# Allegro board 8880F5-0827_txbegin.brd (continued)
## Routing (per net, layer and track width the routed paths; a pad name or vN(x,y) marks a point on that pad's centre or on a via; arc(x,y) is an arc through that point) (continued)
; D321.A13 263.45,83.82 ; D122.A1 233.68,74.47 ; D122.A1 232.87,73.66 ; D122.A1 234.49,73.66 ; D122.A1 233.68,72.85 ; D318.B4 168.35,71.12 ; D318.B4 166.93,71.12 ; D318.B4 167.64,71.83 ; D318.B4 167.64,70.41 ; 25.4,39.83 D128.B6 ; D128.B6 24.59,40.64 ; D128.B6 26.21,40.64 ; D128.B6 25.4,41.45 ; D119.B13 191.31,58.42 ; D119.B13 189.69,58.42 ; D119.B13 190.5,57.61 ; D119.B13 190.5,59.23 ; D125.B1 12.7,99.87 ; D125.B1 12.7,98.25 ; D125.B1 11.89,99.06 ; D125.B1 13.51,99.06 ; 90.63,73.66 D130.A3 ; D130.A3 92.25,73.66 ; D130.A3 91.44,72.85 ; D130.A3 91.44,74.47 ; U1.4 97.98,205.54 ; U1.4 96.1,205.54 ; U1.4 97.04,206.48 ; U1.4 97.04,204.6 ; 309.07,368.3 D115.B16 ; D115.B16 309.88,367.49 ; D115.B16 309.88,369.11 ; D115.B16 310.69,368.3 ; 418.39,71.12 D306.B16 ; D306.B16 419.1,70.41 ; D306.B16 419.81,71.12 ; D306.B16 419.1,71.83 ; 339.55,347.98 D114.B4 ; D114.B4 340.36,347.17 ; D114.B4 341.17,347.98 ; D114.B4 340.36,348.79 ; 248.92,52.53 D123.A7 ; D123.A7 248.11,53.34 ; D123.A7 248.92,54.15 ; D123.A7 249.73,53.34 ; 317.5,77.93 D102.B5 ; D102.B5 318.31,78.74 ; D102.B5 317.5,79.55 ; D102.B5 316.69,78.74 ; 319.23,55.88 D103.A6 ; D103.A6 320.04,55.07 ; D103.A6 320.04,56.69 ; D103.A6 320.85,55.88 ; 162.56,331.93 CSDPS229.B16 ; CSDPS229.B16 162.56,333.55 ; CSDPS229.B16 163.37,332.74 ; CSDPS229.B16 161.75,332.74 ; 197.31,342.9 CSDPS429.B2 ; CSDPS429.B2 198.93,342.9 ; CSDPS429.B2 198.12,342.09 ; CSDPS429.B2 198.12,343.71 ; D112.B7 406.4,391.97 ; D112.B7 405.59,391.16 ; D112.B7 407.21,391.16 ; D112.B7 406.4,390.35 ; 321.77,38.1 D104.B7 ; D104.B7 322.58,37.29 ; D104.B7 323.39,38.1 ; D104.B7 322.58,38.91 ; 387.91,86.36 D305.A4 ; D305.A4 389.33,86.36 ; D305.A4 388.62,87.07 ; D305.A4 388.62,85.65 ; 111.76,72.85 D130.A11 ; D130.A11 112.57,73.66 ; D130.A11 111.76,74.47 ; D130.A11 110.95,73.66 ; D322.B12 261.62,71.83 ; D322.B12 260.91,71.12 ; D322.B12 262.33,71.12 ; D322.B12 261.62,70.41 ; 340.36,75.39 D102.A14 ; D102.A14 339.55,76.2 ; D102.A14 341.17,76.2 ; D102.A14 340.36,77.01 ; 88.09,60.96 D131.B2 ; D131.B2 89.71,60.96 ; D131.B2 88.9,60.15 ; D131.B2 88.9,61.77 ; 322.58,67.87 D302.B7 ; D302.B7 321.87,68.58 ; D302.B7 322.58,69.29 ; D302.B7 323.29,68.58 ; 337.01,78.74 D102.B13 ; D102.B13 337.82,77.93 ; D102.B13 338.63,78.74 ; D102.B13 337.82,79.55 ; D109.A3 417.37,335.28 ; D109.A3 416.56,336.09 ; D109.A3 416.56,334.47 ; D109.A3 415.75,335.28 ; 329.85,247.93 SITE2.G9 ; SITE2.G9 330.81,247.93 ; SITE2.G9 330.33,248.41 ; SITE2.G9 330.33,247.45 ; 243.84,57.61 D123.B5 ; D123.B5 243.84,59.23 ; D123.B5 243.03,58.42 ; D123.B5 244.65,58.42 ; SITE2.G17 329.03,246.91 ; SITE2.G17 328.55,246.43 ; SITE2.G17 329.51,246.43 ; SITE2.G17 329.03,245.95 ; 119.38,55.07 D131.A14 ; D131.A14 120.19,55.88 ; D131.A14 119.38,56.69 ; D131.A14 118.57,55.88 ; 269.24,77.93 D122.B15 ; D122.B15 269.24,79.55 ; D122.B15 270.05,78.74 ; D122.B15 268.43,78.74 ; D107.A15 416.56,54.15 ; D107.A15 416.56,52.53 ; D107.A15 415.75,53.34 ; D107.A15 417.37,53.34 ; D431.B10 177.8,379.27 ; D431.B10 177.8,377.65 ; D431.B10 178.61,378.46 ; D431.B10 176.99,378.46 ; 324.31,373.38 D115.A10 ; D115.A10 325.12,374.19 ; D115.A10 325.93,373.38 ; D115.A10 325.12,372.57 ; 380.19,13.97 DPS1.A01 ; DPS1.A01 381,14.78 ; DPS1.A01 381.81,13.97 ; DPS1.A01 381,13.16 ; D125.B12 40.64,102.41 ; D125.B12 41.45,101.6 ; D125.B12 40.64,100.79 ; D125.B12 39.83,101.6 ; D322.B3 239.47,68.58 ; D322.B3 238.76,69.29 ; D322.B3 238.05,68.58 ; D322.B3 238.76,67.87 ; 331.93,38.1 D104.B11 ; D104.B11 332.74,37.29 ; D104.B11 333.55,38.1 ; D104.B11 332.74,38.91 ; 253.29,83.82 D321.A9 ; D321.A9 254.71,83.82 ; D321.A9 254,84.53 ; D321.A9 254,83.11 ; 408.94,347.17 D110.B6 ; D110.B6 408.13,347.98 ; D110.B6 408.94,348.79 ; D110.B6 409.75,347.98 ; 381,18.24 DPS1.C01 ; DPS1.C01 381,19.86 ; DPS1.C01 381.81,19.05 ; DPS1.C01 380.19,19.05 ; D113.B4 341.17,327.66 ; D113.B4 339.55,327.66 ; D113.B4 340.36,326.85 ; D113.B4 340.36,328.47 ; D306.A8 398.78,66.75 ; D306.A8 398.07,66.04 ; D306.A8 399.49,66.04 ; D306.A8 398.78,65.33 ; 388.62,347.17 D110.B14 ; D110.B14 387.81,347.98 ; D110.B14 389.43,347.98 ; D110.B14 388.62,348.79 ; D116.A2 346.25,393.7 ; D116.A2 345.44,394.51 ; D116.A2 345.44,392.89 ; D116.A2 344.63,393.7 ; D231.B14 167.64,369.11 ; D231.B14 167.64,367.49 ; D231.B14 166.83,368.3 ; D231.B14 168.45,368.3 ; D104.B15 342.9,38.91 ; D104.B15 342.9,37.29 ; D104.B15 342.09,38.1 ; D104.B15 343.71,38.1 ; 124.46,100.79 D129.B16 ; D129.B16 125.27,101.6 ; D129.B16 123.65,101.6 ; D129.B16 124.46,102.41 ; 182.07,332.74 CSDPS229.B8 ; CSDPS229.B8 182.88,331.93 ; CSDPS229.B8 183.69,332.74 ; CSDPS229.B8 182.88,333.55 ; D106.B6 393.7,82.09 ; D106.B6 393.7,80.47 ; D106.B6 392.89,81.28 ; D106.B6 394.51,81.28 ; 342.09,33.02 D104.A15 ; D104.A15 343.71,33.02 ; D104.A15 342.9,32.21 ; D104.A15 342.9,33.83 ; D123.A11 259.08,54.15 ; D123.A11 258.27,53.34 ; D123.A11 259.08,52.53 ; D123.A11 259.89,53.34 ; 264.16,32.21 D124.A13 ; D124.A13 263.35,33.02 ; D124.A13 264.97,33.02 ; D124.A13 264.16,33.83 ; D112.B3 417.37,391.16 ; D112.B3 415.75,391.16 ; D112.B3 416.56,391.97 ; D112.B3 416.56,390.35 ; D231.B13 170.99,370.84 ; D231.B13 170.18,371.65 ; D231.B13 170.18,370.03 ; D231.B13 169.37,370.84 ; 34.75,40.64 D128.B10 ; D128.B10 35.56,41.45 ; D128.B10 35.56,39.83 ; D128.B10 36.37,40.64 ; 29.67,35.56 D128.A8 ; D128.A8 30.48,36.37 ; D128.A8 31.29,35.56 ; D128.A8 30.48,34.75 ; D129.A15 121.92,94.79 ; D129.A15 121.92,93.17 ; D129.A15 122.73,93.98 ; D129.A15 121.11,93.98 ; 259.08,62.79 D322.A11 ; D322.A11 258.37,63.5 ; D322.A11 259.79,63.5 ; D322.A11 259.08,64.21 ; D122.A6 246.38,77.01 ; D122.A6 245.57,76.2 ; D122.A6 247.19,76.2 ; D122.A6 246.38,75.39 ; 344.63,332.74 D113.A2 ; D113.A2 345.44,331.93 ; D113.A2 345.44,333.55 ; D113.A2 346.25,332.74 ; 410.67,396.24 D112.A5 ; D112.A5 412.29,396.24 ; D112.A5 411.48,395.43 ; D112.A5 411.48,397.05 ; 250.85,187.93 SITE3.G10 ; SITE3.G10 251.33,188.41 ; SITE3.G10 251.33,187.45 ; SITE3.G10 251.81,187.93 ; D306.A3 386.79,63.5 ; D306.A3 386.08,64.21 ; D306.A3 386.08,62.79 ; D306.A3 385.37,63.5 ; D108.A15 416.56,33.83 ; D108.A15 416.56,32.21 ; D108.A15 417.37,33.02 ; D108.A15 415.75,33.02 ; D123.A3 238.76,54.15 ; D123.A3 237.95,53.34 ; D123.A3 238.76,52.53 ; D123.A3 239.57,53.34 ; 88.09,101.6 D129.B2 ; D129.B2 89.71,101.6 ; D129.B2 88.9,100.79 ; D129.B2 88.9,102.41 ; D322.B8 251.46,71.83 ; D322.B8 252.17,71.12 ; D322.B8 251.46,70.41 ; D322.B8 250.75,71.12 ; 121.92,72.85 D130.A15 ; D130.A15 122.73,73.66 ; D130.A15 121.11,73.66 ; D130.A15 121.92,74.47 ; 193.04,34.75 D120.A14 ; D120.A14 193.85,35.56 ; D120.A14 193.04,36.37 ; D120.A14 192.23,35.56 ; 260.81,35.56 D124.A12 ; D124.A12 261.62,36.37 ; D124.A12 261.62,34.75 ; D124.A12 262.43,35.56 ; D130.A7 101.6,74.47 ; D130.A7 102.41,73.66 ; D130.A7 100.79,73.66 ; D130.A7 101.6,72.85 ; D305.B8 399.49,91.44 ; D305.B8 398.78,92.15 ; D305.B8 398.07,91.44 ; D305.B8 398.78,90.73 ; D119.B10 183.69,60.96 ; D119.B10 182.88,61.77 ; D119.B10 182.88,60.15 ; D119.B10 182.07,60.96 ; D114.A8 330.2,353.87 ; D114.A8 331.01,353.06 ; D114.A8 330.2,352.25 ; D114.A8 329.39,353.06 ; D122.B4 241.3,82.09 ; D122.B4 241.3,80.47 ; D122.B4 242.11,81.28 ; D122.B4 240.49,81.28 ; 381,62.79 D306.A1 ; D306.A1 381,64.21 ; D306.A1 381.71,63.5 ; D306.A1 380.29,63.5 ; D103.A13 337.82,54.15 ; D103.A13 337.01,53.34 ; D103.A13 337.82,52.53 ; D103.A13 338.63,53.34 ; SITE1.G15 251.43,243.31 ; SITE1.G15 251.91,242.83 ; SITE1.G15 251.43,242.35 ; SITE1.G15 250.95,242.83 ; 160.02,52.53 D119.A1 ; D119.A1 160.02,54.15 ; D119.A1 160.83,53.34 ; D119.A1 159.21,53.34 ; 320.04,90.73 D301.B6 ; D301.B6 320.75,91.44 ; D301.B6 319.33,91.44 ; D301.B6 320.04,92.15 ; D110.A16 384.35,353.06 ; D110.A16 382.73,353.06 ; D110.A16 383.54,352.25 ; D110.A16 383.54,353.87 ; D119.B14 193.85,60.96 ; D119.B14 193.04,60.15 ; D119.B14 192.23,60.96 ; D119.B14 193.04,61.77 ; D107.A13 411.48,54.15 ; D107.A13 412.29,53.34 ; D107.A13 410.67,53.34 ; D107.A13 411.48,52.53 ; SITE1.G16 252.63,243.31 ; SITE1.G16 252.15,242.83 ; SITE1.G16 252.63,242.35 ; SITE1.G16 253.11,242.83 ; D113.A16 309.88,333.55 ; D113.A16 310.69,332.74 ; D113.A16 309.88,331.93 ; D113.A16 309.07,332.74 ; 170.18,62.79 D318.A5 ; D318.A5 170.89,63.5 ; D318.A5 170.18,64.21 ; D318.A5 169.47,63.5 ; 47.45,78.74 D126.B15 ; D126.B15 49.07,78.74 ; D126.B15 48.26,79.55 ; D126.B15 48.26,77.93 ; 182.88,90.73 D317.B10 ; D317.B10 182.88,92.15 ; D317.B10 183.59,91.44 ; D317.B10 182.17,91.44 ; D118.A7 175.26,74.47 ; D118.A7 174.45,73.66 ; D118.A7 176.07,73.66 ; D118.A7 175.26,72.85 ; DPS1.C15 416.56,19.86 ; DPS1.C15 416.56,18.24 ; DPS1.C15 415.75,19.05 ; DPS1.C15 417.37,19.05 ; 403.86,75.39 D106.A10 ; D106.A10 403.86,77.01 ; D106.A10 403.05,76.2 ; D106.A10 404.67,76.2 ; D123.B9 254,59.23 ; D123.B9 254.81,58.42 ; D123.B9 254,57.61 ; D123.B9 253.19,58.42 ; D102.B6 320.85,81.28 ; D102.B6 320.04,80.47 ; D102.B6 319.23,81.28 ; D102.B6 320.04,82.09 ; DPS1.A15 417.37,13.97 ; DPS1.A15 416.56,14.78 ; DPS1.A15 415.75,13.97 ; DPS1.A15 416.56,13.16 ; SITE2.G13 329.03,243.31 ; SITE2.G13 328.55,242.83 ; SITE2.G13 329.03,242.35 ; SITE2.G13 329.51,242.83 ; 32.21,53.34 D127.A9 ; D127.A9 33.83,53.34 ; D127.A9 33.02,52.53 ; D127.A9 33.02,54.15 ; D231.B11 176.07,370.84 ; D231.B11 175.26,370.03 ; D231.B11 175.26,371.65 ; D231.B11 174.45,370.84 ; D132.B6 99.06,41.45 ; D132.B6 99.87,40.64 ; D132.B6 99.06,39.83 ; D132.B6 98.25,40.64 ; 391.16,395.43 D112.A13 ; D112.A13 391.16,397.05 ; D112.A13 391.97,396.24 ; D112.A13 390.35,396.24 ; 171.91,368.3 D231.B12 ; D231.B12 172.72,367.49 ; D231.B12 172.72,369.11 ; D231.B12 173.53,368.3 ; 243.03,78.74 D122.B5 ; D122.B5 243.84,77.93 ; D122.B5 243.84,79.55 ; D122.B5 244.65,78.74 ; 395.53,63.5 D306.A7 ; D306.A7 396.24,64.21 ; D306.A7 396.24,62.79 ; D306.A7 396.95,63.5 ; D302.A14 341.07,66.04 ; D302.A14 339.65,66.04 ; D302.A14 340.36,65.33 ; D302.A14 340.36,66.75 ; 312.42,77.93 D102.B3 ; D102.B3 313.23,78.74 ; D102.B3 311.61,78.74 ; D102.B3 312.42,79.55 ; 17.78,52.53 D127.A3 ; D127.A3 16.97,53.34 ; D127.A3 18.59,53.34 ; D127.A3 17.78,54.15 ; D113.A9 327.66,336.09 ; D113.A9 328.47,335.28 ; D113.A9 327.66,334.47 ; D113.A9 326.85,335.28 ; D231.A6 187.96,374.19 ; D231.A6 188.77,373.38 ; D231.A6 187.15,373.38 ; D231.A6 187.96,372.57 ; 391.16,62.79 D306.A5 ; D306.A5 390.45,63.5 ; D306.A5 391.87,63.5 ; D306.A5 391.16,64.21 ; 393.7,90.73 D305.B6 ; D305.B6 392.99,91.44 ; D305.B6 394.41,91.44 ; D305.B6 393.7,92.15 ; CSDPS225.C7 259.89,330.2 ; CSDPS225.C7 259.08,331.01 ; CSDPS225.C7 258.27,330.2 ; CSDPS225.C7 259.08,329.39 ; D301.A10 330.91,86.36 ; D301.A10 330.2,85.65 ; D301.A10 330.2,87.07 ; D301.A10 329.49,86.36 ; D114.B13 317.5,351.33 ; D114.B13 316.69,350.52 ; D114.B13 318.31,350.52 ; D114.B13 317.5,349.71 ; D111.B14 388.62,369.11 ; D111.B14 388.62,367.49 ; D111.B14 387.81,368.3 ; D111.B14 389.43,368.3 ; D106.A14 414.83,76.2 ; D106.A14 413.21,76.2 ; D106.A14 414.02,77.01 ; D106.A14 414.02,75.39 ; 312.42,390.35 D116.B15 ; D116.B15 313.23,391.16 ; D116.B15 312.42,391.97 ; D116.B15 311.61,391.16 ; 322.58,334.47 D113.A11 ; D113.A11 323.39,335.28 ; D113.A11 322.58,336.09 ; D113.A11 321.77,335.28 ; D110.B16 383.54,348.79 ; D110.B16 384.35,347.98 ; D110.B16 382.73,347.98 ; D110.B16 383.54,347.17 ; 393.7,60.15 D107.B6 ; D107.B6 392.89,60.96 ; D107.B6 393.7,61.77 ; D107.B6 394.51,60.96 ; D106.A3 386.89,73.66 ; D106.A3 386.08,72.85 ; D106.A3 386.08,74.47 ; D106.A3 385.27,73.66 ; 121.92,52.53 D131.A15 ; D131.A15 121.11,53.34 ; D131.A15 122.73,53.34 ; D131.A15 121.92,54.15 ; D431.A6 187.96,384.35 ; D431.A6 188.77,383.54 ; D431.A6 187.96,382.73 ; D431.A6 187.15,383.54 ; 253.29,68.58 D322.B9 ; D322.B9 254,69.29 ; D322.B9 254,67.87 ; D322.B9 254.71,68.58 ; 344.63,373.38 D115.A2 ; D115.A2 345.44,372.57 ; D115.A2 346.25,373.38 ; D115.A2 345.44,374.19 ; D302.A7 323.29,63.5 ; D302.A7 321.87,63.5 ; D302.A7 322.58,64.21 ; D302.A7 322.58,62.79 ; D321.A1 233.68,84.53 ; D321.A1 232.97,83.82 ; D321.A1 234.39,83.82 ; D321.A1 233.68,83.11 ; D119.A3 165.91,53.34 ; D119.A3 164.29,53.34 ; D119.A3 165.1,54.15 ; D119.A3 165.1,52.53 ; D111.A2 419.1,374.19 ; D111.A2 419.91,373.38 ; D111.A2 419.1,372.57 ; D111.A2 418.29,373.38 ; 121.92,57.61 D131.B15 ; D131.B15 122.73,58.42 ; D131.B15 121.11,58.42 ; D131.B15 121.92,59.23 ; D112.B11 396.24,391.97 ; D112.B11 397.05,391.16 ; D112.B11 396.24,390.35 ; D112.B11 395.43,391.16 ; 396.24,52.53 D107.A7 ; D107.A7 395.43,53.34 ; D107.A7 396.24,54.15 ; D107.A7 397.05,53.34 ; D111.A11 397.05,375.92 ; D111.A11 396.24,375.11 ; D111.A11 395.43,375.92 ; D111.A11 396.24,376.73 ; D125.B4 20.32,102.41 ; D125.B4 19.51,101.6 ; D125.B4 20.32,100.79 ; D125.B4 21.13,101.6 ; 251.46,331.93 CSDPS225.B10 ; CSDPS225.B10 252.27,332.74 ; CSDPS225.B10 251.46,333.55 ; CSDPS225.B10 250.65,332.74 ; D107.B2 384.35,60.96 ; D107.B2 382.73,60.96 ; D107.B2 383.54,60.15 ; D107.B2 383.54,61.77 ; D130.B16 124.46,82.09 ; D130.B16 125.27,81.28 ; D130.B16 124.46,80.47 ; D130.B16 123.65,81.28 ; 180.34,329.39 CSDPS229.C9 ; CSDPS229.C9 180.34,331.01 ; CSDPS229.C9 179.53,330.2 ; CSDPS229.C9 181.15,330.2 ; 91.44,98.25 D129.B3 ; D129.B3 90.63,99.06 ; D129.B3 91.44,99.87 ; D129.B3 92.25,99.06 ; D130.A16 124.46,77.01 ; D130.A16 125.27,76.2 ; D130.A16 124.46,75.39 ; D130.A16 123.65,76.2 ; 177.8,65.33 D318.A8 ; D318.A8 178.51,66.04 ; D318.A8 177.8,66.75 ; D318.A8 177.09,66.04 ; D126.A2 15.24,77.01 ; D126.A2 16.05,76.2 ; D126.A2 15.24,75.39 ; D126.A2 14.43,76.2 ; 182.88,55.07 D119.A10 ; D119.A10 183.69,55.88 ; D119.A10 182.88,56.69 ; D119.A10 182.07,55.88 ; 167.64,65.33 D318.A4 ; D318.A4 166.93,66.04 ; D318.A4 168.35,66.04 ; D318.A4 167.64,66.75 ; 392.89,327.66 D109.B12 ; D109.B12 393.7,328.47 ; D109.B12 393.7,326.85 ; D109.B12 394.51,327.66 ; D120.B16 198.12,41.45 ; D120.B16 198.12,39.83 ; D120.B16 198.93,40.64 ; D120.B16 197.31,40.64 ; D128.A16 50.8,36.37 ; D128.A16 50.8,34.75 ; D128.A16 49.99,35.56 ; D128.A16 51.61,35.56 ; 405.59,355.6 D110.A7 ; D110.A7 406.4,354.79 ; D110.A7 406.4,356.41 ; D110.A7 407.21,355.6 ; D115.A3 342.9,376.73 ; D115.A3 342.09,375.92 ; D115.A3 343.71,375.92 ; D115.A3 342.9,375.11 ; 164.29,381 D431.B15 ; D431.B15 165.1,380.19 ; D431.B15 165.1,381.81 ; D431.B15 165.91,381 ; D305.A1 381.71,83.82 ; D305.A1 381,83.11 ; D305.A1 381,84.53 ; D305.A1 380.29,83.82 ; 322.58,395.43 D116.A11 ; D116.A11 322.58,397.05 ; D116.A11 321.77,396.24 ; D116.A11 323.39,396.24 ; 233.68,13.16 DPS3.A01 ; DPS3.A01 232.87,13.97 ; DPS3.A01 234.49,13.97 ; DPS3.A01 233.68,14.78 ; D114.B8 330.2,348.79 ; D114.B8 329.39,347.98 ; D114.B8 330.2,347.17 ; D114.B8 331.01,347.98 ; D111.A6 409.75,373.38 ; D111.A6 408.94,372.57 ; D111.A6 408.94,374.19 ; D111.A6 408.13,373.38 ; SITE4.G13 329.51,182.83 ; SITE4.G13 328.55,182.83 ; SITE4.G13 329.03,182.35 ; SITE4.G13 329.03,183.31 ; 266.7,80.47 D122.B14 ; D122.B14 265.89,81.28 ; D122.B14 267.51,81.28 ; D122.B14 266.7,82.09 ; D102.B4 314.96,82.09 ; D102.B4 314.96,80.47 ; D102.B4 314.15,81.28 ; D102.B4 315.77,81.28 ; D431.A3 196.39,386.08 ; D431.A3 194.77,386.08 ; D431.A3 195.58,385.27 ; D431.A3 195.58,386.89 ; 306.53,58.42 D103.B1 ; D103.B1 307.34,57.61 ; D103.B1 307.34,59.23 ; D103.B1 308.15,58.42 ; 319.33,66.04 D302.A6 ; D302.A6 320.04,66.75 ; D302.A6 320.04,65.33 ; D302.A6 320.75,66.04 ; D321.B8 251.46,92.15 ; D321.B8 251.46,90.73 ; D321.B8 252.17,91.44 ; D321.B8 250.75,91.44 ; 321.87,88.9 D301.B7 ; D301.B7 322.58,89.61 ; D301.B7 322.58,88.19 ; D301.B7 323.29,88.9 ; 243.84,52.53 D123.A5 ; D123.A5 244.65,53.34 ; D123.A5 243.03,53.34 ; D123.A5 243.84,54.15 ; 176.99,332.74 CSDPS229.B10 ; CSDPS229.B10 178.61,332.74 ; CSDPS229.B10 177.8,333.55 ; CSDPS229.B10 177.8,331.93 ; 179.53,33.02 D120.A9 ; D120.A9 180.34,32.21 ; D120.A9 181.15,33.02 ; D120.A9 180.34,33.83 ; 321.77,415.29 DPS2.A11 ; DPS2.A11 322.58,416.1 ; DPS2.A11 322.58,414.48 ; DPS2.A11 323.39,415.29 ; 337.01,73.66 D102.A13 ; D102.A13 337.82,74.47 ; D102.A13 338.63,73.66 ; D102.A13 337.82,72.85 ; 334.47,35.56 D104.A12 ; D104.A12 336.09,35.56 ; D104.A12 335.28,36.37 ; D104.A12 335.28,34.75 ; D132.A3 91.44,33.83 ; D132.A3 92.25,33.02 ; D132.A3 90.63,33.02 ; D132.A3 91.44,32.21 ; 182.07,35.56 D120.A10 ; D120.A10 183.69,35.56 ; D120.A10 182.88,34.75 ; D120.A10 182.88,36.37 ; 164.29,33.02 D120.A3 ; D120.A3 165.1,33.83 ; D120.A3 165.1,32.21 ; D120.A3 165.91,33.02 ; 175.26,409.4 DPS8.C11 ; DPS8.C11 174.45,410.21 ; DPS8.C11 175.26,411.02 ; DPS8.C11 176.07,410.21 ; 259.08,37.29 D124.B11 ; D124.B11 259.89,38.1 ; D124.B11 258.27,38.1 ; D124.B11 259.08,38.91 ; 194.87,83.82 D317.A15 ; D317.A15 196.29,83.82 ; D317.A15 195.58,83.11 ; D317.A15 195.58,84.53 ; D131.A10 110.03,55.88 ; D131.A10 109.22,56.69 ; D131.A10 108.41,55.88 ; D131.A10 109.22,55.07 ; 200.66,385.27 D431.A1 ; D431.A1 199.85,386.08 ; D431.A1 201.47,386.08 ; D431.A1 200.66,386.89 ; 49.99,76.2 D126.A16 ; D126.A16 51.61,76.2 ; D126.A16 50.8,75.39 ; D126.A16 50.8,77.01 ; 35.56,55.07 D127.A10 ; D127.A10 34.75,55.88 ; D127.A10 35.56,56.69 ; D127.A10 36.37,55.88 ; D132.A4 93.98,36.37 ; D132.A4 94.79,35.56 ; D132.A4 93.17,35.56 ; D132.A4 93.98,34.75 ; 398.07,71.12 D306.B8 ; D306.B8 398.78,71.83 ; D306.B8 399.49,71.12 ; D306.B8 398.78,70.41 ; 387.81,35.56 D108.A4 ; D108.A4 389.43,35.56 ; D108.A4 388.62,36.37 ; D108.A4 388.62,34.75 ; D128.A10 35.56,36.37 ; D128.A10 34.75,35.56 ; D128.A10 35.56,34.75 ; D128.A10 36.37,35.56 ; 263.35,58.42 D123.B13 ; D123.B13 264.97,58.42 ; D123.B13 264.16,57.61 ; D123.B13 264.16,59.23 ; D120.B11 186.23,38.1 ; D120.B11 185.42,38.91 ; D120.B11 185.42,37.29 ; D120.B11 184.61,38.1 ; 165.1,375.11 D231.A15 ; D231.A15 165.91,375.92 ; D231.A15 164.29,375.92 ; D231.A15 165.1,376.73 ; 312.42,83.11 D301.A3 ; D301.A3 313.13,83.82 ; D301.A3 311.71,83.82 ; D301.A3 312.42,84.53 ; 339.55,373.38 D115.A4 ; D115.A4 340.36,374.19 ; D115.A4 340.36,372.57 ; D115.A4 341.17,373.38 ; D115.B7 333.55,370.84 ; D115.B7 332.74,370.03 ; D115.B7 332.74,371.65 ; D115.B7 331.93,370.84 ; 271.78,80.47 D122.B16 ; D122.B16 270.97,81.28 ; D122.B16 271.78,82.09 ; D122.B16 272.59,81.28 ; 195.58,329.39 CSDPS229.C3 ; CSDPS229.C3 194.77,330.2 ; CSDPS229.C3 195.58,331.01 ; CSDPS229.C3 196.39,330.2 ; D128.B5 22.86,38.91 ; D128.B5 23.67,38.1 ; D128.B5 22.86,37.29 ; D128.B5 22.05,38.1 ; UNK2U2.4 483.43,214.94 ; UNK2U2.4 482.49,214 ; UNK2U2.4 481.55,214.94 ; UNK2U2.4 482.49,215.88 ; D115.A16 310.69,373.38 ; D115.A16 309.88,372.57 ; D115.A16 309.88,374.19 ; D115.A16 309.07,373.38 ; D110.B12 393.7,348.79 ; D110.B12 394.51,347.98 ; D110.B12 392.89,347.98 ; D110.B12 393.7,347.17 ; D128.A9 33.83,33.02 ; D128.A9 33.02,32.21 ; D128.A9 32.21,33.02 ; D128.A9 33.02,33.83 ; 418.29,76.2 D106.A16 ; D106.A16 419.1,77.01 ; D106.A16 419.1,75.39 ; D106.A16 419.91,76.2 ; 410.67,73.66 D106.A13 ; D106.A13 411.48,74.47 ; D106.A13 412.29,73.66 ; D106.A13 411.48,72.85 ; 268.53,63.5 D322.A15 ; D322.A15 269.24,64.21 ; D322.A15 269.24,62.79 ; D322.A15 269.95,63.5 ; 325.12,392.89 D116.A10 ; D116.A10 325.12,394.51 ; D116.A10 324.31,393.7 ; D116.A10 325.93,393.7 ; 251.46,65.33 D322.A8 ; D322.A8 252.17,66.04 ; D322.A8 251.46,66.75 ; D322.A8 250.75,66.04 ; 159.31,63.5 D318.A1 ; D318.A1 160.73,63.5 ; D318.A1 160.02,62.79 ; D318.A1 160.02,64.21 ; 96.35,161.85 UNK3U1.4 ; UNK3U1.4 97.29,162.79 ; UNK3U1.4 97.29,160.91 ; UNK3U1.4 98.23,161.85 ; 248.85,181.33 SITE3.G2 ; SITE3.G2 249.81,181.33 ; SITE3.G2 249.33,181.81 ; SITE3.G2 249.33,180.85 ; SITE1.G2 249.81,241.33 ; SITE1.G2 249.33,240.85 ; SITE1.G2 249.33,241.81 ; SITE1.G2 248.85,241.33 ; CSDPS429.B14 167.64,343.71 ; CSDPS429.B14 167.64,342.09 ; CSDPS429.B14 168.45,342.9 ; CSDPS429.B14 166.83,342.9 ; 386.08,349.71 D110.B15 ; D110.B15 385.27,350.52 ; D110.B15 386.89,350.52 ; D110.B15 386.08,351.33 ; 243.84,13.16 DPS3.A05 ; DPS3.A05 243.84,14.78 ; DPS3.A05 243.03,13.97 ; DPS3.A05 244.65,13.97 ; 403.05,35.56 D108.A10 ; D108.A10 403.86,34.75 ; D108.A10 403.86,36.37 ; D108.A10 404.67,35.56 ; D124.B4 241.3,41.45 ; D124.B4 240.49,40.64 ; D124.B4 242.11,40.64 ; D124.B4 241.3,39.83 ; D124.B6 247.19,40.64 ; D124.B6 246.38,41.45 ; D124.B6 246.38,39.83 ; D124.B6 245.57,40.64 ; 44.91,96.52 D125.A14 ; D125.A14 45.72,97.33 ; D125.A14 45.72,95.71 ; D125.A14 46.53,96.52 ; 418.29,327.66 D109.B2 ; D109.B2 419.1,326.85 ; D109.B2 419.1,328.47 ; D109.B2 419.91,327.66 ; 249.33,187.45 SITE3.G8 ; SITE3.G8 249.33,188.41 ; SITE3.G8 248.85,187.93 ; SITE3.G8 249.81,187.93 ; D113.A12 320.85,332.74 ; D113.A12 320.04,331.93 ; D113.A12 320.04,333.55 ; D113.A12 319.23,332.74 ; D116.B6 335.28,389.43 ; D116.B6 336.09,388.62 ; D116.B6 335.28,387.81 ; D116.B6 334.47,388.62 ; 342.19,83.82 D301.A15 ; D301.A15 342.9,84.53 ; D301.A15 342.9,83.11 ; D301.A15 343.61,83.82 ; 380.19,73.66 D106.A1 ; D106.A1 381.81,73.66 ; D106.A1 381,72.85 ; D106.A1 381,74.47 ; D112.A1 421.64,397.05 ; D112.A1 421.64,395.43 ; D112.A1 420.83,396.24 ; D112.A1 422.45,396.24 ; CSDPS429.B4 193.04,343.71 ; CSDPS429.B4 193.85,342.9 ; CSDPS429.B4 192.23,342.9 ; CSDPS429.B4 193.04,342.09 ; D115.B11 323.39,370.84 ; D115.B11 321.77,370.84 ; D115.B11 322.58,371.65 ; D115.B11 322.58,370.03 ; D131.B13 116.84,59.23 ; D131.B13 117.65,58.42 ; D131.B13 116.84,57.61 ; D131.B13 116.03,58.42 ; D125.B6 26.21,101.6 ; D125.B6 25.4,102.41 ; D125.B6 25.4,100.79 ; D125.B6 24.59,101.6 ; D114.A12 320.04,353.87 ; D114.A12 320.85,353.06 ; D114.A12 319.23,353.06 ; D114.A12 320.04,352.25 ; 99.06,60.15 D131.B6 ; D131.B6 99.87,60.96 ; D131.B6 98.25,60.96 ; D131.B6 99.06,61.77 ; D106.A8 398.78,77.01 ; D106.A8 399.59,76.2 ; D106.A8 398.78,75.39 ; D106.A8 397.97,76.2 ; 235.41,76.2 D122.A2 ; D122.A2 237.03,76.2 ; D122.A2 236.22,77.01 ; D122.A2 236.22,75.39 ; 414.02,372.57 D111.A4 ; D111.A4 413.21,373.38 ; D111.A4 414.83,373.38 ; D111.A4 414.02,374.19 ; D102.A4 315.77,76.2 ; D102.A4 314.15,76.2 ; D102.A4 314.96,75.39 ; D102.A4 314.96,77.01 ; SITE3.G5 252.33,181.81 ; SITE3.G5 251.85,181.33 ; SITE3.G5 252.81,181.33 ; SITE3.G5 252.33,180.85 ; D129.A4 93.98,97.33 ; D129.A4 93.98,95.71 ; D129.A4 93.17,96.52 ; D129.A4 94.79,96.52 ; D123.B6 247.19,60.96 ; D123.B6 245.57,60.96 ; D123.B6 246.38,61.77 ; D123.B6 246.38,60.15 ; D115.B3 342.9,371.65 ; D115.B3 342.09,370.84 ; D115.B3 343.71,370.84 ; D115.B3 342.9,370.03 ; 314.15,60.96 D103.B4 ; D103.B4 315.77,60.96 ; D103.B4 314.96,61.77 ; D103.B4 314.96,60.15 ; 321.77,375.92 D115.A11 ; D115.A11 323.39,375.92 ; D115.A11 322.58,375.11 ; D115.A11 322.58,376.73 ; 91.44,77.93 D130.B3 ; D130.B3 92.25,78.74 ; D130.B3 90.63,78.74 ; D130.B3 91.44,79.55 ; D127.B5 23.67,58.42 ; D127.B5 22.86,59.23 ; D127.B5 22.05,58.42 ; D127.B5 22.86,57.61 ; 408.94,60.15 D107.B12 ; D107.B12 409.75,60.96 ; D107.B12 408.13,60.96 ; D107.B12 408.94,61.77 ; D114.A13 318.31,355.6 ; D114.A13 317.5,356.41 ; D114.A13 317.5,354.79 ; D114.A13 316.69,355.6 ; D111.B12 393.7,369.11 ; D111.B12 392.89,368.3 ; D111.B12 393.7,367.49 ; D111.B12 394.51,368.3 ; SITE1.G9 250.81,247.93 ; SITE1.G9 250.33,247.45 ; SITE1.G9 250.33,248.41 ; SITE1.G9 249.85,247.93 ; D132.B3 92.25,38.1 ; D132.B3 91.44,37.29 ; D132.B3 90.63,38.1 ; D132.B3 91.44,38.91 ; 12.7,37.29 D128.B1 ; D128.B1 13.51,38.1 ; D128.B1 12.7,38.91 ; D128.B1 11.89,38.1 ; SITE2.G14 330.71,242.83 ; SITE2.G14 329.75,242.83 ; SITE2.G14 330.23,242.35 ; SITE2.G14 330.23,243.31 ; D113.B8 330.2,328.47 ; D113.B8 331.01,327.66 ; D113.B8 330.2,326.85 ; D113.B8 329.39,327.66 ; 311.61,58.42 D103.B3 ; D103.B3 312.42,57.61 ; D103.B3 312.42,59.23 ; D103.B3 313.23,58.42 ; SITE1.G13 249.51,242.83 ; SITE1.G13 248.55,242.83 ; SITE1.G13 249.03,243.31 ; SITE1.G13 249.03,242.35 ; D306.A9 402.03,63.5 ; D306.A9 401.32,62.79 ; D306.A9 400.61,63.5 ; D306.A9 401.32,64.21 ; 311.61,355.6 D114.A15 ; D114.A15 312.42,356.41 ; D114.A15 312.42,354.79 ; D114.A15 313.23,355.6 ; D318.B12 188.67,71.12 ; D318.B12 187.96,70.41 ; D318.B12 187.96,71.83 ; D318.B12 187.25,71.12 ; 256.54,34.75 D124.A10 ; D124.A10 256.54,36.37 ; D124.A10 255.73,35.56 ; D124.A10 257.35,35.56 ; D301.B11 333.45,88.9 ; D301.B11 332.74,89.61 ; D301.B11 332.74,88.19 ; D301.B11 332.03,88.9 ; 316.69,335.28 D113.A13 ; D113.A13 317.5,336.09 ; D113.A13 317.5,334.47 ; D113.A13 318.31,335.28 ; D107.B5 391.97,58.42 ; D107.B5 391.16,59.23 ; D107.B5 390.35,58.42 ; D107.B5 391.16,57.61 ; D123.A16 272.59,55.88 ; D123.A16 271.78,55.07 ; D123.A16 270.97,55.88 ; D123.A16 271.78,56.69 ; 238.76,339.55 CSDPS425.C15 ; CSDPS425.C15 238.76,341.17 ; CSDPS425.C15 237.95,340.36 ; CSDPS425.C15 239.57,340.36 ; D231.A1 200.66,376.73 ; D231.A1 200.66,375.11 ; D231.A1 201.47,375.92 ; D231.A1 199.85,375.92 ; 172.72,85.65 D317.A6 ; D317.A6 173.43,86.36 ; D317.A6 172.72,87.07 ; D317.A6 172.01,86.36 ; D431.B16 163.37,378.46 ; D431.B16 162.56,377.65 ; D431.B16 161.75,378.46 ; D431.B16 162.56,379.27 ; 190.5,380.19 D431.B5 ; D431.B5 190.5,381.81 ; D431.B5 191.31,381 ; D431.B5 189.69,381 ; 398.78,372.57 D111.A10 ; D111.A10 397.97,373.38 ; D111.A10 398.78,374.19 ; D111.A10 399.59,373.38 ; D111.B6 408.94,369.11 ; D111.B6 409.75,368.3 ; D111.B6 408.94,367.49 ; D111.B6 408.13,368.3 ; D124.B14 266.7,41.45 ; D124.B14 266.7,39.83 ; D124.B14 267.51,40.64 ; D124.B14 265.89,40.64 ; 177.8,382.73 D431.A10 ; D431.A10 177.8,384.35 ; D431.A10 176.99,383.54 ; D431.A10 178.61,383.54 ; 263.35,330.2 CSDPS225.C5 ; CSDPS225.C5 264.16,331.01 ; CSDPS225.C5 264.16,329.39 ; CSDPS225.C5 264.97,330.2 ; 331.33,240.85 SITE2.G4 ; SITE2.G4 331.81,241.33 ; SITE2.G4 331.33,241.81 ; SITE2.G4 330.85,241.33 ; D130.A8 104.14,77.01 ; D130.A8 103.33,76.2 ; D130.A8 104.95,76.2 ; D130.A8 104.14,75.39 ; D128.A2 16.05,35.56 ; D128.A2 15.24,34.75 ; D128.A2 14.43,35.56 ; D128.A2 15.24,36.37 ; 193.04,331.93 CSDPS229.B4 ; CSDPS229.B4 193.85,332.74 ; CSDPS229.B4 192.23,332.74 ; CSDPS229.B4 193.04,333.55 ; 246.38,34.75 D124.A6 ; D124.A6 246.38,36.37 ; D124.A6 245.57,35.56 ; D124.A6 247.19,35.56 ; 403.86,65.33 D306.A10 ; D306.A10 404.57,66.04 ; D306.A10 403.15,66.04 ; D306.A10 403.86,66.75 ; SITE3.G9 250.81,187.93 ; SITE3.G9 250.33,187.45 ; SITE3.G9 249.85,187.93 ; SITE3.G9 250.33,188.41 ; D110.B7 407.21,350.52 ; D110.B7 406.4,351.33 ; D110.B7 405.59,350.52 ; D110.B7 406.4,349.71 ; 321.77,78.74 D102.B7 ; D102.B7 323.39,78.74 ; D102.B7 322.58,79.55 ; D102.B7 322.58,77.93 ; D126.B1 12.7,79.55 ; D126.B1 13.51,78.74 ; D126.B1 12.7,77.93 ; D126.B1 11.89,78.74 ; 25.4,80.47 D126.B6 ; D126.B6 26.21,81.28 ; D126.B6 24.59,81.28 ; D126.B6 25.4,82.09 ; 161.75,383.54 D431.A16 ; D431.A16 163.37,383.54 ; D431.A16 162.56,382.73 ; D431.A16 162.56,384.35 ; D132.A2 88.9,36.37 ; D132.A2 89.71,35.56 ; D132.A2 88.9,34.75 ; D132.A2 88.09,35.56 ; D113.A3 342.9,336.09 ; D113.A3 342.09,335.28 ; D113.A3 342.9,334.47 ; D113.A3 343.71,335.28 ; 162.56,85.65 D317.A2 ; D317.A2 163.27,86.36 ; D317.A2 162.56,87.07 ; D317.A2 161.85,86.36 ; 326.95,88.9 D301.B9 ; D301.B9 327.66,88.19 ; D301.B9 327.66,89.61 ; D301.B9 328.37,88.9 ; D102.B14 341.17,81.28 ; D102.B14 340.36,80.47 ; D102.B14 339.55,81.28 ; D102.B14 340.36,82.09 ; D108.B15 416.56,38.91 ; D108.B15 417.37,38.1 ; D108.B15 415.75,38.1 ; D108.B15 416.56,37.29 ; D306.A15 416.56,64.21 ; D306.A15 415.85,63.5 ; D306.A15 416.56,62.79 ; D306.A15 417.27,63.5 ; SITE1.G14 250.71,242.83 ; SITE1.G14 250.23,242.35 ; SITE1.G14 249.75,242.83 ; SITE1.G14 250.23,243.31 ; 185.42,339.55 CSDPS429.C7 ; CSDPS429.C7 184.61,340.36 ; CSDPS429.C7 186.23,340.36 ; CSDPS429.C7 185.42,341.17 ; SITE1.G8 249.33,248.41 ; SITE1.G8 249.33,247.45 ; SITE1.G8 248.85,247.93 ; SITE1.G8 249.81,247.93 ; 96.52,77.93 D130.B5 ; D130.B5 95.71,78.74 ; D130.B5 96.52,79.55 ; D130.B5 97.33,78.74 ; D126.A4 20.32,77.01 ; D126.A4 19.51,76.2 ; D126.A4 21.13,76.2 ; D126.A4 20.32,75.39 ; 185.42,375.11 D231.A7 ; D231.A7 184.61,375.92 ; D231.A7 186.23,375.92 ; D231.A7 185.42,376.73 ; D103.B10 331.01,60.96 ; D103.B10 329.39,60.96 ; D103.B10 330.2,60.15 ; D103.B10 330.2,61.77 ; D305.B7 396.95,88.9 ; D305.B7 395.53,88.9 ; D305.B7 396.24,89.61 ; D305.B7 396.24,88.19 ; 253.19,330.2 CSDPS225.C9 ; CSDPS225.C9 254.81,330.2 ; CSDPS225.C9 254,331.01 ; CSDPS225.C9 254,329.39 ; D103.A11 332.74,54.15 ; D103.A11 333.55,53.34 ; D103.A11 332.74,52.53 ; D103.A11 331.93,53.34 ; D127.A11 38.1,54.15 ; D127.A11 38.1,52.53 ; D127.A11 37.29,53.34 ; D127.A11 38.91,53.34 ; 392.89,35.56 D108.A6 ; D108.A6 393.7,36.37 ; D108.A6 394.51,35.56 ; D108.A6 393.7,34.75 ; 88.9,39.83 D132.B2 ; D132.B2 88.9,41.45 ; D132.B2 89.71,40.64 ; D132.B2 88.09,40.64 ; 241.3,34.75 D124.A4 ; D124.A4 241.3,36.37 ; D124.A4 240.49,35.56 ; D124.A4 242.11,35.56 ; D231.A14 167.64,374.19 ; D231.A14 167.64,372.57 ; D231.A14 168.45,373.38 ; D231.A14 166.83,373.38 ; 312.42,62.79 D302.A3 ; D302.A3 311.71,63.5 ; D302.A3 313.13,63.5 ; D302.A3 312.42,64.21 ; 401.32,67.87 D306.B9 ; D306.B9 401.32,69.29 ; D306.B9 402.03,68.58 ; D306.B9 400.61,68.58 ; D321.A7 249.63,83.82 ; D321.A7 248.21,83.82 ; D321.A7 248.92,83.11 ; D321.A7 248.92,84.53 ; D131.A1 86.36,54.15 ; D131.A1 87.17,53.34 ; D131.A1 86.36,52.53 ; D131.A1 85.55,53.34 ; 175.26,32.21 D120.A7 ; D120.A7 174.45,33.02 ; D120.A7 175.26,33.83 ; D120.A7 176.07,33.02 ; 48.26,98.25 D125.B15 ; D125.B15 47.45,99.06 ; D125.B15 48.26,99.87 ; D125.B15 49.07,99.06 ; 171.91,342.9 CSDPS429.B12 ; CSDPS429.B12 172.72,343.71 ; CSDPS429.B12 172.72,342.09 ; CSDPS429.B12 173.53,342.9 ; 171.91,373.38 D231.A12 ; D231.A12 172.72,374.19 ; D231.A12 173.53,373.38 ; D231.A12 172.72,372.57 ; CSDPS225.C15 239.57,330.2 ; CSDPS225.C15 238.76,329.39 ; CSDPS225.C15 237.95,330.2 ; CSDPS225.C15 238.76,331.01 ; 392.89,353.06 D110.A12 ; D110.A12 394.51,353.06 ; D110.A12 393.7,353.87 ; D110.A12 393.7,352.25 ; 332.74,77.93 D102.B11 ; D102.B11 331.93,78.74 ; D102.B11 332.74,79.55 ; D102.B11 333.55,78.74 ; 314.96,392.89 D116.A14 ; D116.A14 315.77,393.7 ; D116.A14 314.15,393.7 ; D116.A14 314.96,394.51 ; 266.7,85.65 D321.A14 ; D321.A14 267.41,86.36 ; D321.A14 266.7,87.07 ; D321.A14 265.99,86.36 ; 311.61,350.52 D114.B15 ; D114.B15 312.42,349.71 ; D114.B15 313.23,350.52 ; D114.B15 312.42,351.33 ; 410.67,38.1 D108.B13 ; D108.B13 411.48,38.91 ; D108.B13 412.29,38.1 ; D108.B13 411.48,37.29 ; 249.75,182.83 SITE3.G14 ; SITE3.G14 250.23,183.31 ; SITE3.G14 250.71,182.83 ; SITE3.G14 250.23,182.35 ; 253.33,187.45 SITE3.G12 ; SITE3.G12 253.33,188.41 ; SITE3.G12 252.85,187.93 ; SITE3.G12 253.81,187.93 ; 306.53,53.34 D103.A1 ; D103.A1 307.34,54.15 ; D103.A1 307.34,52.53 ; D103.A1 308.15,53.34 ; 245.57,55.88 D123.A6 ; D123.A6 246.38,56.69 ; D123.A6 246.38,55.07 ; D123.A6 247.19,55.88 ; 189.69,78.74 D118.B13 ; D118.B13 190.5,79.55 ; D118.B13 190.5,77.93 ; D118.B13 191.31,78.74 ; 264.16,37.29 D124.B13 ; D124.B13 264.97,38.1 ; D124.B13 263.35,38.1 ; D124.B13 264.16,38.91 ; D129.A13 116.84,94.79 ; D129.A13 116.84,93.17 ; D129.A13 116.03,93.98 ; D129.A13 117.65,93.98 ; 30.48,95.71 D125.A8 ; D125.A8 30.48,97.33 ; D125.A8 31.29,96.52 ; D125.A8 29.67,96.52 ; 172.72,382.73 D431.A12 ; D431.A12 173.53,383.54 ; D431.A12 171.91,383.54 ; D431.A12 172.72,384.35 ; 232.87,58.42 D123.B1 ; D123.B1 233.68,59.23 ; D123.B1 233.68,57.61 ; D123.B1 234.49,58.42 ; D305.B13 412.19,88.9 ; D305.B13 410.77,88.9 ; D305.B13 411.48,89.61 ; D305.B13 411.48,88.19 ; 314.96,331.93 D113.A14 ; D113.A14 315.77,332.74 ; D113.A14 314.15,332.74 ; D113.A14 314.96,333.55 ; D122.B10 257.35,81.28 ; D122.B10 256.54,82.09 ; D122.B10 255.73,81.28 ; D122.B10 256.54,80.47 ; D114.A1 348.79,355.6 ; D114.A1 347.98,354.79 ; D114.A1 347.17,355.6 ; D114.A1 347.98,356.41 ; 327.66,83.11 D301.A9 ; D301.A9 328.37,83.82 ; D301.A9 326.95,83.82 ; D301.A9 327.66,84.53 ; D108.A3 386.89,33.02 ; D108.A3 385.27,33.02 ; D108.A3 386.08,33.83 ; D108.A3 386.08,32.21 ; CSDPS425.C9 254,341.17 ; CSDPS425.C9 254,339.55 ; CSDPS425.C9 253.19,340.36 ; CSDPS425.C9 254.81,340.36 ; D302.B12 335.28,71.83 ; D302.B12 335.99,71.12 ; D302.B12 335.28,70.41 ; D302.B12 334.57,71.12 ; 306.63,88.9 D301.B1 ; D301.B1 307.34,89.61 ; D301.B1 308.05,88.9 ; D301.B1 307.34,88.19 ; D127.B16 50.8,61.77 ; D127.B16 50.8,60.15 ; D127.B16 49.99,60.96 ; D127.B16 51.61,60.96 ; 93.17,55.88 D131.A4 ; D131.A4 94.79,55.88 ; D131.A4 93.98,55.07 ; D131.A4 93.98,56.69 ; 403.86,60.15 D107.B10 ; D107.B10 404.67,60.96 ; D107.B10 403.86,61.77 ; D107.B10 403.05,60.96 ; 327.66,62.79 D302.A9 ; D302.A9 326.95,63.5 ; D302.A9 327.66,64.21 ; D302.A9 328.37,63.5 ; SITE4.G9 330.33,188.41 ; SITE4.G9 330.81,187.93 ; SITE4.G9 329.85,187.93 ; SITE4.G9 330.33,187.45 ; 307.34,32.21 D104.A1 ; D104.A1 306.53,33.02 ; D104.A1 308.15,33.02 ; D104.A1 307.34,33.83 ; 270.97,76.2 D122.A16 ; D122.A16 271.78,75.39 ; D122.A16 272.59,76.2 ; D122.A16 271.78,77.01 ; 165.1,385.27 D431.A15 ; D431.A15 165.91,386.08 ; D431.A15 165.1,386.89 ; D431.A15 164.29,386.08 ; 264.16,62.79 D322.A13 ; D322.A13 264.87,63.5 ; D322.A13 264.16,64.21 ; D322.A13 263.45,63.5 ; 387.81,76.2 D106.A4 ; D106.A4 389.43,76.2 ; D106.A4 388.62,75.39 ; D106.A4 388.62,77.01 ; D231.A9 180.34,376.73 ; D231.A9 180.34,375.11 ; D231.A9 181.15,375.92 ; D231.A9 179.53,375.92 ; D120.A8 177.8,36.37 ; D120.A8 178.61,35.56 ; D120.A8 176.99,35.56 ; D120.A8 177.8,34.75 ; D102.A12 336.09,76.2 ; D102.A12 335.28,77.01 ; D102.A12 334.47,76.2 ; D102.A12 335.28,75.39 ; DPS3.C01 233.68,19.86 ; DPS3.C01 234.49,19.05 ; DPS3.C01 233.68,18.24 ; DPS3.C01 232.87,19.05 ; D104.B3 313.23,38.1 ; D104.B3 311.61,38.1 ; D104.B3 312.42,37.29 ; D104.B3 312.42,38.91 ; 25.4,75.39 D126.A6 ; D126.A6 24.59,76.2 ; D126.A6 26.21,76.2 ; D126.A6 25.4,77.01 ; D127.A4 21.13,55.88 ; D127.A4 20.32,55.07 ; D127.A4 20.32,56.69 ; D127.A4 19.51,55.88 ; D110.B8 404.67,347.98 ; D110.B8 403.86,348.79 ; D110.B8 403.86,347.17 ; D110.B8 403.05,347.98 ; 337.11,63.5 D302.A13 ; D302.A13 338.53,63.5 ; D302.A13 337.82,64.21 ; D302.A13 337.82,62.79 ; 337.01,391.16 D116.B5 ; D116.B5 337.82,390.35 ; D116.B5 337.82,391.97 ; D116.B5 338.63,391.16 ; D321.B12 261.62,92.15 ; D321.B12 260.91,91.44 ; D321.B12 262.33,91.44 ; D321.B12 261.62,90.73 ; 189.79,88.9 D317.B13 ; D317.B13 190.5,89.61 ; D317.B13 191.21,88.9 ; D317.B13 190.5,88.19 ; 108.41,40.64 D132.B10 ; D132.B10 110.03,40.64 ; D132.B10 109.22,39.83 ; D132.B10 109.22,41.45 ; 421.64,334.47 D109.A1 ; D109.A1 420.83,335.28 ; D109.A1 421.64,336.09 ; D109.A1 422.45,335.28 ; 176.99,342.9 CSDPS429.B10 ; CSDPS429.B10 177.8,343.71 ; CSDPS429.B10 177.8,342.09 ; CSDPS429.B10 178.61,342.9 ; 386.08,375.11 D111.A15 ; D111.A15 386.08,376.73 ; D111.A15 386.89,375.92 ; D111.A15 385.27,375.92 ; D301.A8 325.83,86.36 ; D301.A8 325.12,85.65 ; D301.A8 325.12,87.07 ; D301.A8 324.41,86.36 ; 331.85,181.33 SITE4.G5 ; SITE4.G5 332.81,181.33 ; SITE4.G5 332.33,181.81 ; SITE4.G5 332.33,180.85 ; D128.B14 45.72,41.45 ; D128.B14 44.91,40.64 ; D128.B14 46.53,40.64 ; D128.B14 45.72,39.83 ; 324.31,35.56 D104.A8 ; D104.A8 325.12,36.37 ; D104.A8 325.12,34.75 ; D104.A8 325.93,35.56 ; 391.16,32.21 D108.A5 ; D108.A5 391.16,33.83 ; D108.A5 390.35,33.02 ; D108.A5 391.97,33.02 ; 391.16,67.87 D306.B5 ; D306.B5 390.45,68.58 ; D306.B5 391.87,68.58 ; D306.B5 391.16,69.29 ; 347.17,396.24 D116.A1 ; D116.A1 347.98,397.05 ; D116.A1 347.98,395.43 ; D116.A1 348.79,396.24 ; D114.A16 309.88,353.87 ; D114.A16 309.88,352.25 ; D114.A16 310.69,353.06 ; D114.A16 309.07,353.06 ; 329.39,388.62 D116.B8 ; D116.B8 330.2,387.81 ; D116.B8 331.01,388.62 ; D116.B8 330.2,389.43 ; D321.A4 241.3,87.07 ; D321.A4 240.59,86.36 ; D321.A4 242.01,86.36 ; D321.A4 241.3,85.65 ; D231.A4 193.04,374.19 ; D231.A4 193.85,373.38 ; D231.A4 192.23,373.38 ; D231.A4 193.04,372.57 ; 250.95,186.43 SITE3.G19 ; SITE3.G19 251.43,185.95 ; SITE3.G19 251.43,186.91 ; SITE3.G19 251.91,186.43 ; 174.45,330.2 CSDPS229.C11 ; CSDPS229.C11 176.07,330.2 ; CSDPS229.C11 175.26,331.01 ; CSDPS229.C11 175.26,329.39 ; 339.55,332.74 D113.A4 ; D113.A4 340.36,331.93 ; D113.A4 341.17,332.74 ; D113.A4 340.36,333.55 ; D129.A16 125.27,96.52 ; D129.A16 124.46,95.71 ; D129.A16 124.46,97.33 ; D129.A16 123.65,96.52 ; 347.17,375.92 D115.A1 ; D115.A1 348.79,375.92 ; D115.A1 347.98,375.11 ; D115.A1 347.98,376.73 ; D109.B8 403.86,328.47 ; D109.B8 403.86,326.85 ; D109.B8 403.05,327.66 ; D109.B8 404.67,327.66 ; 37.29,33.02 D128.A11 ; D128.A11 38.1,33.83 ; D128.A11 38.1,32.21 ; D128.A11 38.91,33.02 ; 99.06,100.79 D129.B6 ; D129.B6 99.87,101.6 ; D129.B6 99.06,102.41 ; D129.B6 98.25,101.6 ; D126.A11 38.1,74.47 ; D126.A11 38.1,72.85 ; D126.A11 37.29,73.66 ; D126.A11 38.91,73.66 ; 195.58,339.55 CSDPS429.C3 ; CSDPS429.C3 194.77,340.36 ; CSDPS429.C3 195.58,341.17 ; CSDPS429.C3 196.39,340.36 ; 90.63,93.98 D129.A3 ; D129.A3 92.25,93.98 ; D129.A3 91.44,93.17 ; D129.A3 91.44,94.79 ; 88.9,55.07 D131.A2 ; D131.A2 89.71,55.88 ; D131.A2 88.9,56.69 ; D131.A2 88.09,55.88 ; 411.48,334.47 D109.A5 ; D109.A5 410.67,335.28 ; D109.A5 412.29,335.28 ; D109.A5 411.48,336.09 ; SITE3.G13 249.51,182.83 ; SITE3.G13 248.55,182.83 ; SITE3.G13 249.03,183.31 ; SITE3.G13 249.03,182.35 ; CSDPS425.C13 244.65,340.36 ; CSDPS425.C13 243.84,339.55 ; CSDPS425.C13 243.03,340.36 ; CSDPS425.C13 243.84,341.17 ; 12.7,52.53 D127.A1 ; D127.A1 11.89,53.34 ; D127.A1 12.7,54.15 ; D127.A1 13.51,53.34 ; 410.67,78.74 D106.B13 ; D106.B13 411.48,79.55 ; D106.B13 411.48,77.93 ; D106.B13 412.29,78.74 ; D132.A15 121.92,33.83 ; D132.A15 121.11,33.02 ; D132.A15 122.73,33.02 ; D132.A15 121.92,32.21 ; D102.B16 346.25,81.28 ; D102.B16 345.44,82.09 ; D102.B16 345.44,80.47 ; D102.B16 344.63,81.28 ; 413.21,55.88 D107.A14 ; D107.A14 414.83,55.88 ; D107.A14 414.02,55.07 ; D107.A14 414.02,56.69 ; D317.B8 178.51,91.44 ; D317.B8 177.09,91.44 ; D317.B8 177.8,92.15 ; D317.B8 177.8,90.73 ; 180.34,52.53 D119.A9 ; D119.A9 180.34,54.15 ; D119.A9 179.53,53.34 ; D119.A9 181.15,53.34 ; 321.77,73.66 D102.A7 ; D102.A7 323.39,73.66 ; D102.A7 322.58,74.47 ; D102.A7 322.58,72.85 ; 162.56,65.33 D318.A2 ; D318.A2 161.85,66.04 ; D318.A2 162.56,66.75 ; D318.A2 163.27,66.04 ; D109.A4 414.83,332.74 ; D109.A4 413.21,332.74 ; D109.A4 414.02,331.93 ; D109.A4 414.02,333.55 ; 266.7,331.93 CSDPS225.B4 ; CSDPS225.B4 267.51,332.74 ; CSDPS225.B4 265.89,332.74 ; CSDPS225.B4 266.7,333.55 ; 385.27,370.84 D111.B15 ; D111.B15 386.08,371.65 ; D111.B15 386.08,370.03 ; D111.B15 386.89,370.84 ; D431.A4 193.85,383.54 ; D431.A4 193.04,384.35 ; D431.A4 192.23,383.54 ; D431.A4 193.04,382.73 ; D109.A16 383.54,333.55 ; D109.A16 383.54,331.93 ; D109.A16 382.73,332.74 ; D109.A16 384.35,332.74 ; 400.51,375.92 D111.A9 ; D111.A9 401.32,375.11 ; D111.A9 401.32,376.73 ; D111.A9 402.13,375.92 ; 233.68,52.53 D123.A1 ; D123.A1 234.49,53.34 ; D123.A1 232.87,53.34 ; D123.A1 233.68,54.15 ; 309.07,76.2 D102.A2 ; D102.A2 309.88,77.01 ; D102.A2 310.69,76.2 ; D102.A2 309.88,75.39 ; 269.24,13.16 DPS3.A15 ; DPS3.A15 268.43,13.97 ; DPS3.A15 270.05,13.97 ; DPS3.A15 269.24,14.78 ; 254,72.85 D122.A9 ; D122.A9 254.81,73.66 ; D122.A9 254,74.47 ; D122.A9 253.19,73.66 ; D317.A16 198.83,86.36 ; D317.A16 198.12,87.07 ; D317.A16 197.41,86.36 ; D317.A16 198.12,85.65 ; D126.A12 41.45,76.2 ; D126.A12 40.64,77.01 ; D126.A12 40.64,75.39 ; D126.A12 39.83,76.2 ; 259.08,32.21 D124.A11 ; D124.A11 259.89,33.02 ; D124.A11 259.08,33.83 ; D124.A11 258.27,33.02 ; D305.A12 409.65,86.36 ; D305.A12 408.94,85.65 ; D305.A12 408.23,86.36 ; D305.A12 408.94,87.07 ; 44.91,55.88 D127.A14 ; D127.A14 45.72,56.69 ; D127.A14 46.53,55.88 ; D127.A14 45.72,55.07 ; D125.A7 27.94,94.79 ; D125.A7 27.94,93.17 ; D125.A7 28.75,93.98 ; D125.A7 27.13,93.98 ; D107.A11 407.21,53.34 ; D107.A11 406.4,54.15 ; D107.A11 405.59,53.34 ; D107.A11 406.4,52.53 ; SITE4.G15 331.43,183.31 ; SITE4.G15 330.95,182.83 ; SITE4.G15 331.91,182.83 ; SITE4.G15 331.43,182.35 ; D103.B15 342.9,59.23 ; D103.B15 343.71,58.42 ; D103.B15 342.09,58.42 ; D103.B15 342.9,57.61 ; 332.85,241.33 SITE2.G6 ; SITE2.G6 333.33,240.85 ; SITE2.G6 333.81,241.33 ; SITE2.G6 333.33,241.81 ; 418.29,393.7 D112.A2 ; D112.A2 419.1,394.51 ; D112.A2 419.1,392.89 ; D112.A2 419.91,393.7 ; 255.73,76.2 D122.A10 ; D122.A10 257.35,76.2 ; D122.A10 256.54,75.39 ; D122.A10 256.54,77.01 ; 124.46,39.83 D132.B16 ; D132.B16 125.27,40.64 ; D132.B16 123.65,40.64 ; D132.B16 124.46,41.45 ; D113.B3 343.71,330.2 ; D113.B3 342.09,330.2 ; D113.B3 342.9,331.01 ; D113.B3 342.9,329.39 ; 22.05,73.66 D126.A5 ; D126.A5 22.86,72.85 ; D126.A5 23.67,73.66 ; D126.A5 22.86,74.47 ; 187.96,34.75 D120.A12 ; D120.A12 187.15,35.56 ; D120.A12 187.96,36.37 ; D120.A12 188.77,35.56 ; 96.52,37.29 D132.B5 ; D132.B5 97.33,38.1 ; D132.B5 95.71,38.1 ; D132.B5 96.52,38.91 ; SITE2.G20 332.63,246.91 ; SITE2.G20 332.15,246.43 ; SITE2.G20 332.63,245.95 ; SITE2.G20 333.11,246.43 ; D132.A16 125.27,35.56 ; D132.A16 124.46,36.37 ; D132.A16 124.46,34.75 ; D132.A16 123.65,35.56 